# Altium PCB HBS V2.0.PcbDoc (part 2 of 3)
Units mil, origin at the board's own origin, x right, y up, seen from the top; angles counter-clockwise.
Board outline 4570 x 4451.26 mil, 4 copper layers (Top Layer, Internal Plane 1, Internal Plane 2, Bottom Layer), stack 18.2 mil thick; 339 components, 246 nets, 1026 pads, 164 vias.
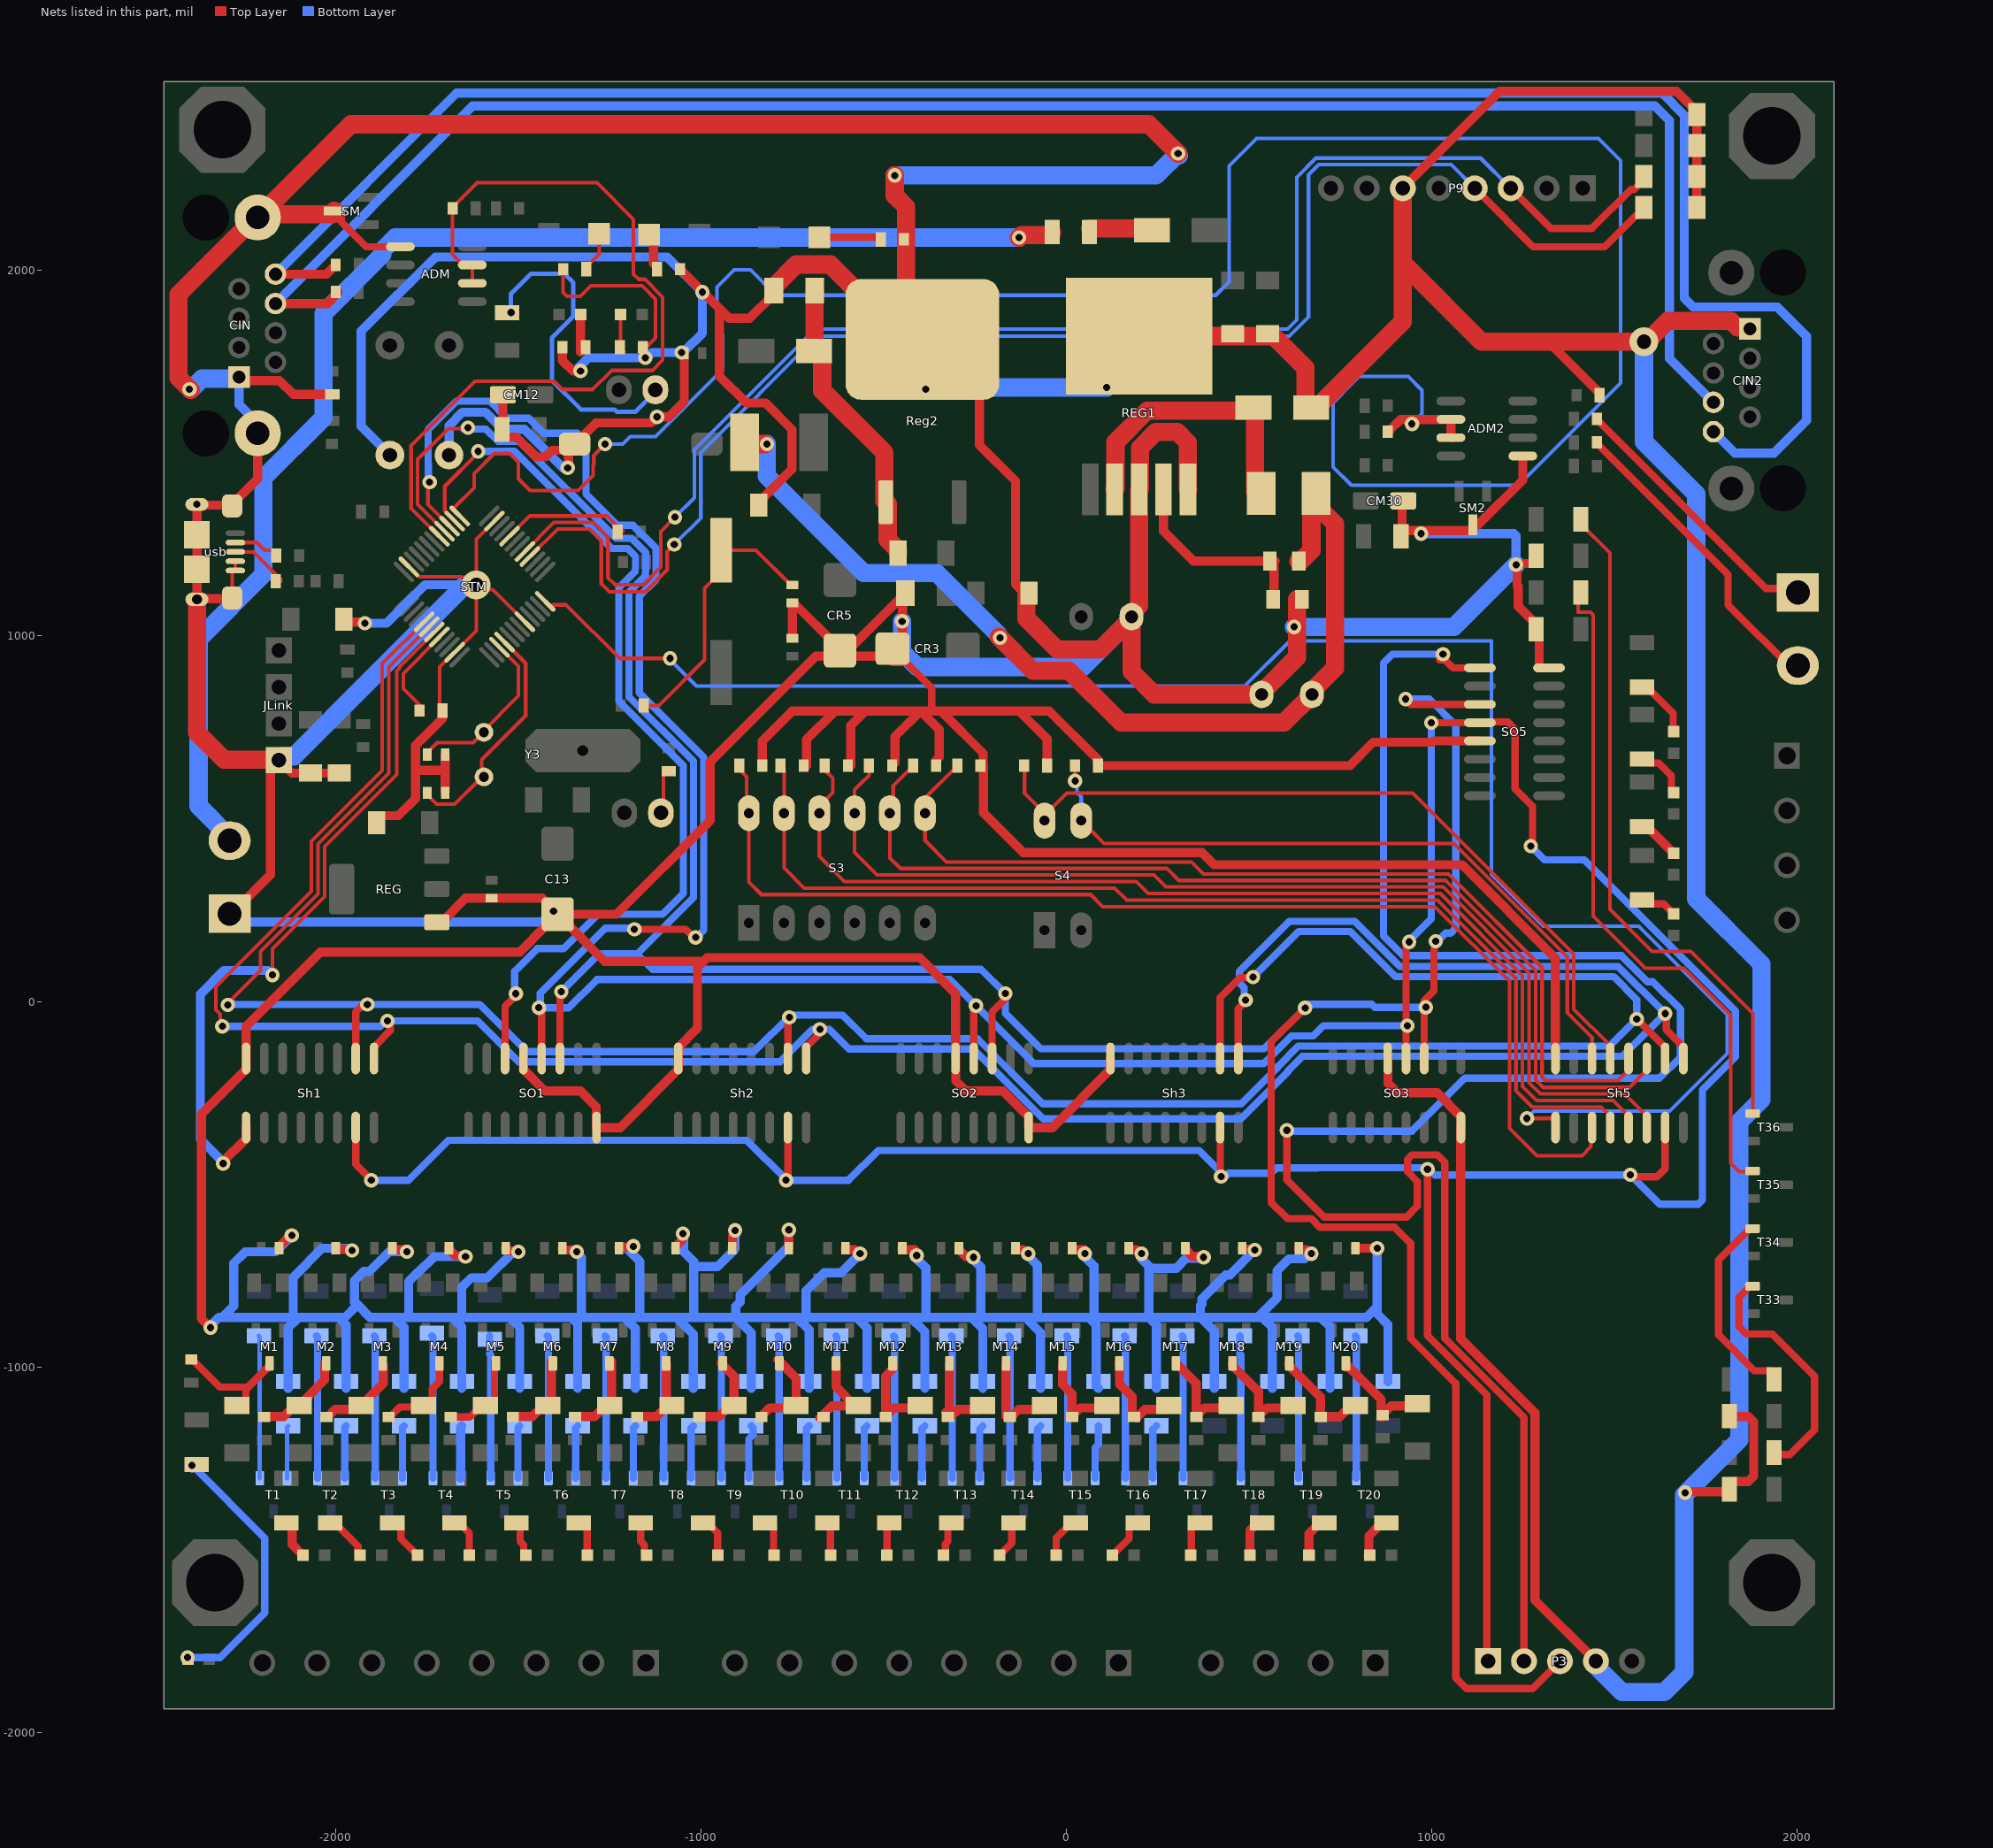
[diagram p4: the nets of this part, all layers, seen from the top]

## Via types
v1: diameter 39.37, hole 19.68, Top Layer to Bottom Layer, 161 vias
v2: diameter 78.74, hole 39.37, Top Layer to Bottom Layer, 3 vias

## Nets (pads, with @x,y where several pads share a name; then routed paths per layer and width w, separated by ;. In a path a pad name is that pad's centre, name@x,y a point inside that pad or via, vN(x,y) a via of type N, cw(c..) or ccw(c..) an arc to the next point about the centre after c; other vN are vias at no path point) (continued)
ChA: CIN2.8 CIN.8 RT4.1 | length 5695
  Top Layer w25: CIN.8@-2164.45,1989.88 -2024.83,1989.88 -2003.94,2010.77 -2000.4,2010.77 -1999.71,2011.46 RT4.1@-1999.71,2015
  Bottom Layer w25: CIN.8@-2160,1985 -2160,1994.33 -1669.33,2485 1630,2485 1690,2425 1690,1925 1715,1900 1945,1900 2025,1820 2025,1590 1935,1500 1828.9,1500 1778.9,1550 1770,1550 CIN2.8@1770,1558.9
ChA_Dis: PO2.2 RT23.1 | length 847.5
  Top Layer w20: RT23.1@1451.61,1529.47 1451.61,1526.51 1810,1168.12 1810,1085 PO2.2@1990,905
ChB: CIN2.6 CIN.6 RT3.1 | length 5075.7
  Top Layer w25: CIN.6@-2164.45,1909.57 -2022.43,1909.57 -1993.99,1938 RT3.1@-1993.99,1941.55
  Bottom Layer w25: CIN.6@-2175,1900 -1625,2450 1610,2450 1650,2410 1650,1759.21 CIN2.6@1770,1639.21
ChB_Dis: PO2.1 RT21.1 | length 732.4
  Top Layer w20: RT21.1@1451.61,1594.11 1451.61,1591.16 1912.77,1130 PO2.1@1990,1130
"Clock Pin2": P3.3 SO1.11 SO2.11 SO3.11 SO5.11 STM.28 | length 9152.1
  Top Layer w10: STM.28@-1702.12,1286.72 -1775.44,1360.04 -1775.44,1483.17 -1690.95,1567.66 v1@-1652.34,1567.66
  Top Layer w20: SO1.11@-1386.23,-156.02 -1386.23,8.77 v1@-1375,20 ; SO2.11@-203.73,-156.02 -203.73,-28.73 v1@-160,15 ; v1(652.68,-17.68) 560,-110.35 560,-550 604.25,-594.25 669.83,-594.25 693.45,-617.87 897.87,-617.87 941.44,-661.44 941.44,-921.44 1065,-1045 1065,-1850 1095,-1880 1275,-1880 1340,-1815 P3.3@1355,-1815 ; v1@930,823.78 941,812.78 SO5.11@1131.02,812.78 ; SO3.11@978.77,-156.02 978.77,2.81 1005.32,29.36 1005.32,141.41 1006.29,142.38 1006.29,161.29 v1(1010,165)
  Bottom Layer w20: v1@-1652.34,1567.66 v1@-1638.1,1567.66 ; v1(-1638.1,1570) -1634.39,1566.29 -1589.15,1566.29 -1555.73,1532.87 -1498.58,1532.87 -1232.8,1267.09 -1189.82,1267.09 -1151.49,1228.76 -1151.49,1174.56 -1152.55,1173.5 -1152.55,1166.48 -1151.49,1165.42 -1197.13,1119.79 -1197.13,833.36 -1020.88,657.11 -1020.88,284.12 -1175,130 ; v1(-1382.67,26.66) -1279.33,130 -1175,130 ; v1(927.68,827.32) 993.17,827.32 1065,755.49 1065,201.09 1050.86,186.95 1037.19,186.95 1015.24,165 v1(1010,165) ; v1(983.02,-15.93) 843.2,-15.93 835,-7.74 662.28,-7.74 540.72,-129.3 -70.95,-129.3 -167.67,-32.58 v1(-167.67,21.66) -233.88,87.87 -1132.87,87.87 -1175,130
ClockEn: P3.1 Sh1.15 Sh2.15 Sh3.15 Sh5.15 SO1.12 SO2.12 SO3.12 SO5.12 STM.27 | length 14476.8
  Top Layer w10: v1(-1742.88,1420.86) -1747.56,1416.18 -1747.56,1360 STM.27@-1688.21,1300.64
  Top Layer w20: Sh1.15@-1945,-345 -1945,-445 v1@-1900,-490 ; SO1.12@-1436.23,-156.02 v1@-1436.23,-23.77 ; v1(-1182.5,197.44) -1042.37,197.44 -1020.24,175.32 v1(-1015,175.32) ; v1@-765,-490 -765,-481.54 -762.5,-479.04 Sh2.15@-762.5,-345 ; SO2.12@-253.73,-156.02 v1@-253.73,-13.73 ; v1@420,-480 420.69,-479.31 420.69,-345.69 Sh3.15@420,-345 ; SO3.12@928.77,-156.02 v1@928.77,162.39 ; v1(987.68,-459.11) 987.68,-914.22 1150,-1076.54 P3.1@1150,-1815 ; v1@1002.18,762.78 SO5.12@1131.02,762.78 1128.81,765 1207.13,765 1227.13,745 1227.13,582.18 1275,534.3 v1@1275,425 ; v1@1550,-480 1615,-480 1637.74,-457.26 Sh5.15@1637.74,-345
  Bottom Layer w20: v1(-1902.32,-489.11) -1800.61,-489.11 -1691.13,-379.63 -875.37,-379.63 v1@-765.89,-489.11 ; v1(-1742.88,1420.86) -1746.2,1424.18 -1746.2,1470.55 -1746.95,1471.31 -1746.95,1565.17 -1669.49,1642.63 -1577.92,1642.63 -1530.81,1595.53 -1471.11,1595.53 -1430.46,1554.88 -1339.02,1554.88 -1314.98,1530.85 -1314.98,1388.7 -1229,1302.72 -1186.02,1302.72 -1123.62,1240.31 -1123.62,1153.88 -1169.25,1108.24 -1169.25,844.9 -993,668.66 -993,195.35 -1014.02,174.34 v1(-1015,175.32) ; v1@-1185.18,200.12 -1262.33,200.12 -1440.19,22.25 -1440.19,-13.4 v1(-1443.9,-17.11) -1362.11,-17.11 -1285,60 -319.35,60 v1(-247.67,-11.68) -89.35,-170 539.43,-170 615.18,-94.25 675,-94.25 702.96,-66.29 v1(932.48,-66.29) ; v1(-767.32,-489.11) v1@-765.89,-489.11 ; v1(422.68,-479.11) 422.68,-467.68 362.6,-407.6 -515.11,-407.6 -596.62,-489.11 v1@-765.89,-489.11 ; v1@434.11,-479.11 443.22,-470 560,-470 574.22,-455.78 686.54,-455.78 687.32,-455 987.68,-455 1007.68,-475 v1@1535,-475 ; v1(937.33,162.8) 937.33,165.6 997.68,225.95 v1(997.68,762.32) ; v1(1270,425) 1307.5,387.5 1416.82,387.5 1830.75,-26.42 1830.75,-151.63 1740,-242.38 1740,-543.28 1728.28,-555 1623.57,-555 v1(1542.68,-474.11)
ClockPin: Sh1.2 Sh2.2 Sh3.2 Sh5.2 STM.42 | length 7394.7
  Top Layer w10: v1@-2297.6,-7.1 -2205.44,85.07 -2205.44,136.78 -2048.08,294.13 -2048.08,430.6 -1854.57,624.11 -1854.57,914.35 -1830,938.92 STM.42@-1743.88,1025.04
  Top Layer w20: -1944.31,-88.51 -1944.31,-155.33 Sh1.2@-1945,-156.02 -1945,-28.9 v1@-1921.1,-5 ; Sh2.2@-762.5,-156.02 v1@-762.5,-38.81 ; Sh3.2@420,-156.02 420,10 475,65 v1@504.23,65 ; v1(1560,-48.34) 1560.78,-48.34 1637.74,-125.3 Sh5.2@1637.74,-156.02
  Bottom Layer w20: v1@-2286.12,0 -2277.79,-8.34 v1(-1913.12,-8.34) -1605.6,-8.34 -1476.81,-137.13 -854.7,-137.13 -754.73,-37.16 -612.84,-37.16 -547.87,-102.13 -243.13,-102.13 -65,-280.26 477.45,-280.26 578.63,-179.08 578.63,-177.41 633.91,-122.13 1486.21,-122.13 v1(1560,-48.34) 1560,5.24 1497.37,67.87 900.3,67.87 777.05,191.13 634.8,191.13 v1(510.34,66.66)
  other v1: -758.41,-43.34 -2294.93,-9.77
CS485_Comm: ADM.2 ADM.3 R'16.1 STM.29 | length 2317.4
  Top Layer w10: STM.29@-1719.76,1275.24 -1793.31,1348.79 -1793.31,1521.69 -1618.5,1696.5 -1402.5,1696.5 -1380.57,1674.57 -1296.61,1674.57 -1244.83,1726.35 -1133.65,1726.35 -1105,1755 -1105,1927.02 -1153.93,1975.95 -1170.95,1975.95 -1185,1990 -1185,2140 -1285,2240 -1612.95,2240 -1680,2172.95 R'16.1@-1680,2170 -1680,2043.79 -1651.21,2015 ADM.3@-1626.04,2015 ADM.2@-1626.04,1965
CS485_Dis: ADM2.2 ADM2.3 R'41.1 STM.25 | length 6557.1
  Top Layer w10: STM.25@-1660.37,1328.48 -1678.51,1346.62 -1678.51,1347.81 -1621.18,1405.14 -1621.18,1443.89 -1565.84,1499.22 -1523.79,1499.22 -1499.79,1475.21 ; -1500,1475 -1500,1430 -1467.87,1397.87 -1336.12,1397.87 -1295.14,1438.86 -1295.14,1468.59 -1293.66,1470.07 -1293.66,1493.66 -1262.58,1524.74 v1(-1262.58,1525)
  Top Layer w25: R'41.1@882.99,1558.66 882.99,1561.61 913.9,1592.52 ADM2.2@1051.57,1592.52 ADM2.3@1051.57,1542.52
  Bottom Layer w10: v1(-1262.58,1525) -1214.3,1525 -1193.29,1546 -1125,1546 -941.12,1729.88 -941.12,1823.98 -956.22,1839.08 -956.22,1955.03 -909.81,2001.44 -865.04,2001.44 -795.9,1932.3 408.01,1932.3 444.7,1969 444.7,2170 ; 444.7,2174.7 444.7,2285.84 519.87,2361 1455.64,2361 1515.75,2300.9 1515.75,1691.86 1236.02,1412.13 779.54,1412.13 729.14,1462.52 729.14,1638.04 780.55,1689.45 ; 780,1690 800,1710 935,1710 972.93,1672.07 972.93,1607.93 v1(945,1580)
D24: R44.2 S3.12 Sh5.11 | length 3263.3
  Top Layer w10: R44.2@-890.26,636.03 -890.26,630 -875.33,615.07 -875.33,520.96 S3.12@-869.37,515 -869.37,326.77 -835,292.4 65.99,292.4 98.87,259.53 1008.01,259.53 1211.79,55.74 1211.79,-346.87 1286.77,-421.85 1410.45,-421.85 1435.14,-397.16 1435.14,-347.61 Sh5.11@1437.74,-345 Sh5.11@1437.74,-313.5
D25: R45.2 S3.11 Sh5.12 | length 3037
  Top Layer w10: R45.2@-782.45,645 -772.91,635.46 S3.11@-772.91,515 -772.91,365.12 -718.07,310.28 131.93,310.28 164.81,277.4 1015.41,277.4 1229.67,63.15 1229.67,-244 1274.49,-288.82 1463.06,-288.82 1487.74,-313.5 Sh5.12@1487.74,-345
D26: R46.2 S3.10 Sh5.13 | length 2973.9
  Top Layer w10: R46.2@-658.45,630 -639.27,610.82 -639.27,571.87 -676.46,534.68 S3.10@-676.46,515 -676.46,397.05 -607.56,328.15 190.89,328.15 223.77,295.28 1022.81,295.28 1247.54,70.55 1247.54,-232.54 1285.94,-270.95 1495.18,-270.95 1537.74,-313.5 Sh5.13@1537.74,-345
D27: R47.2 S3.9 Sh5.14 | length 2927.9
  Top Layer w10: R47.2@-540.43,645 -540.43,617.91 -552.11,606.24 -552.97,606.24 -580,579.21 S3.9@-580,515 -580,407.76 -518.27,346.03 239.24,346.03 272.11,313.15 1030.22,313.15 1265.42,77.95 1265.42,-222.13 1296.36,-253.07 1527.31,-253.07 1587.74,-313.5 Sh5.14@1587.74,-345
D28: R48.2 S3.8 Sh5.3 | length 2824
  Top Layer w10: R48.2@-428.89,635.54 -474.16,590.27 -474.16,524.39 S3.8@-483.54,515 -483.54,392.46 -454.98,363.9 274.58,363.9 307.46,331.03 1037.62,331.03 1283.29,85.36 1283.29,-214.72 1303.76,-235.2 1540.07,-235.2 1587.74,-187.52 Sh5.3@1587.74,-156.02
D29: R49.2 S3.7 Sh5.4 | length 2643.9
  Top Layer w10: R49.2@-307.88,635.54 -387.09,556.33 S3.7@-387.09,515 -387.09,440.29 -328.57,381.77 341.49,381.77 374.36,348.9 1045.02,348.9 1301.16,92.76 1301.16,-207.32 1310,-216.16 1509.11,-216.16 1537.74,-187.52 Sh5.4@1537.74,-156.02
D30: R50.1 S4.4 Sh5.5 | length 2142.3
  Top Layer w10: R50.1@-115,632.13 -115,569.68 -60,514.68 S4.4@-60,509.36 ; S4.4@-60,495 S4.4@-60,509.36 ; Sh5.5@1487.74,-156.02 1487.74,-121.08 1387.87,-21.21 1387.87,129.62 947.49,570 0.64,570 S4.4@-60,509.36
D31: R51.1 S4.3 Sh5.6 | length 1946.5
  Top Layer w10: R51.1@22.84,645 23.09,644.75 v1@23.09,608.09 ; S4.3@40,495 40,488.59 62.66,465.93 69.07,465.93 102.48,432.52 1059.69,432.52 1370,122.22 1370,-30 1437.74,-97.74 Sh5.6@1437.74,-156.02
  Bottom Layer w10: v1@30,605 28.96,603.96 28.96,571.04 40,560 S4.3@40,495
  other v1: 23.34,603.56
"Data Pin2": SO1.14 STM.26 | length 2603.4
  Top Layer w10: STM.26@-1674.29,1314.56 -1674.29,1315.05 -1701.42,1342.18 -1701.42,1409.43 -1610,1500.84 v1(-1610,1505)
  Top Layer w20: SO1.14@-1536.23,-156.02 -1536.23,-13.26 -1506.9,16.07 v1(-1506.9,21.31)
  Bottom Layer w20: v1(-1610,1505) -1510.12,1505 -1244.35,1239.22 -1201.37,1239.22 -1179.36,1217.22 -1179.36,1186.1 -1180.42,1185.05 -1180.42,1175.91 -1225,1131.33 -1225,821.81 -1048.75,645.56 -1048.75,295.67 -1105.88,238.54 -1282.52,238.54 -1376.44,144.63 -1448.36,144.63 -1510.04,82.95 v1@-1510.04,21.31
DataPin: Sh5.9 STM.12 | length 5004.3
  Top Layer w10: STM.12@-1426.52,1094.63 -1411.53,1079.65 -1410.35,1079.65 -1405,1085 -1369.07,1085 -1222.85,938.78 v1(-1085,938.78) ; v1(1259.64,-320.01) 1331.45,-320.01 1337.74,-326.31 Sh5.9@1337.74,-345
  Bottom Layer w10: v1@-1085,935 -1012.78,862.78 487.2,862.78 611.3,986.89 1162.78,986.89 1162.78,881.49 1162.87,881.4 1162.87,347.13 1304.01,205.99 1565.99,205.99 1807.87,-35.9 1807.87,-142.15 1650.03,-300 1278.87,-300 v1@1263.87,-315
DataPin2: Sh1.9 STM.43 | length 1955.9
  Top Layer w10: v1(-2172.88,72.32) -2172.88,144.06 -2030.21,286.73 -2030.21,423.19 -1832.87,620.53 -1832.87,904.36 -1825.54,911.7 -1825.54,915.54 STM.43@-1729.96,1011.12
  Top Layer w25: v1@-2310,-440.12 -2245,-375.12 Sh1.9@-2245,-345
  Bottom Layer w25: v1@-2307.32,-440.12 -2370,-377.44 -2370,20 -2305,85 -2185.55,85 v1@-2175.55,75
  other v1: -2307.67,-443.46
GND: ADM2.5 ADM.5 C2.1 C6.2 C7.2 C10.2 C13.2 C15.1 C16.1 CIN2.1 CIN.1 CIN.9 CM12.2 CM13.2 CM20.2 CM21.2 CM25.2 CM30.2 CR1.2 CR2.2 CR3.2 CR5.2 CY1.1 CY2.1 CY3.1 CY4.1 CY5.1 CY6.1 CY7.1 CY8.1 CY9.1 CY10.1 CY11.1 CY12.1 CY13.1 CY14.1 CY15.1 CY16.1 CY17.1 CY18.1 CY19.1 CY20.1 DM3.1 DZ1.1 DZ2.1 DZ10.1 DZ11.1 DZ12.1 DZ13.1 DZ14.1 DZ15.1 DZ16.1 DZ20.1 DZ21.1 DZ22.1 JLink.1 P3.4 P9.6 PO.1 R2.2 R44.1 R45.1 R46.1 R47.1 R48.1 R49.1 R50.2 R51.2 R60.1 R61.1 R80.1 R82.1 R83.1 REG1.3 REG1.5 REG1.6 Reg2.4 REG.1 RES.1 RN2.2 RT1.2 RT20.2 RV1.1 RV2.1 RX1.2 RX2.2 RX3.2 RX4.2 RX5.2 RX6.2 RX7.2 RX8.2 RX9.2 RX10.2 RX11.2 RX12.2 RX13.2 RX14.2 RX15.2 RX16.2 RX17.2 RX18.2 RX19.2 RX20.2 RX33.2 RX34.2 RX35.2 RX36.2 Sh1.8 Sh2.8 Sh3.8 Sh5.8 SM2.3 SM.3 SO1.8 SO1.13 SO2.8 SO2.13 SO3.8 SO3.13 SO5.8 SO5.13 STM.8 STM.23 STM.35 STM.47 usb.4 usb.5 usb.S | length 58744.3
  Top Layer w10: usb.S@-2283.04,1104.09 -2283.04,1176.24 -2280.38,1178.9 usb.5@-2274.18,1178.9 usb.4@-2274.18,1204.49 ; STM.35@-1799.56,1189.29 -1799.07,1189.29 -1771.94,1162.15 -1655.76,1162.15 -1633.6,1140 v2(-1615,1140) ; R2.2@-1715,795.75 -1715,914.73 STM.47@-1674.29,955.44 -1615,1014.73 v2(-1615,1140) ; STM.23@-1565.71,1314.56 -1565.71,1314.07 -1615,1264.79 v2(-1615,1140) ; STM.8@-1482.2,1038.96 -1570.09,1126.85 -1601.85,1126.85 v2(-1615,1140) ; R82.1@-1377.45,2015 -1377.45,1940.32 -1366.59,1929.46 -1330.1,1929.46 -1301.49,1958.07 -1161.33,1958.07 -1124.61,1921.35 -1124.61,1815.16 -1157.99,1781.77 R60.1@-1162.07,1777.7
  Top Layer w20: SM.3@-2003.46,2162.72 -1986.73,2162.72 -1984.92,2160.9 -1984.92,2133.66 -1916.26,2065 ADM.5@-1822.89,2065 ; CR3.2@-475.07,965 -440.86,930.79 -440.86,929.4 -369.19,857.73 -369.19,795
  Top Layer w25: v1(-2342.32,-892.53) -2367.13,-867.72 -2367.13,-308.27 -2245,-186.14 Sh1.8@-2245,-156.02 -2245,-68.08 -2041.92,135 -1495.97,135 -1426.19,204.78 -1424.22,204.78 -1392.43,236.58 -1360.64,204.78 -1358.67,204.78 -1263.88,110 -993.73,110 ; PO.1@-2290,240 -2285,240 -2177.87,347.13 -2177.87,637.3 JLink.1@-2155,660.17 ; usb.S@-2283.04,1104.09 -2285.01,1102.13 -2377.53,1102.13 usb.S@-2379.5,1100.16 usb.S@-2379.5,1182.83 usb.S@-2379.5,1277.32 usb.S@-2379.5,1360 -2377.53,1358.03 -2285.01,1358.03 usb.S@-2283.04,1356.06 -2283.04,1360 -2213.27,1429.77 CIN.9@-2213.27,1554.45 ; CIN.1@-2264.45,1708.78 CIN.1@-2248.05,1725.18 ; CIN.1@-2255,1710 -2255,1706.62 -2247.42,1699.04 -2153.71,1699.04 -2115.58,1660.91 RT1.2@-2008.68,1660.91 ; JLink.1@-2156.31,661.48 -2153.69,661.48 -2144.57,670.61 -2144.57,649.74 -2119.52,624.7 DZ11.1@-2069.01,624.7 DZ12.1@-1989.51,624.7 ; CY1.1@-2154.71,-674.92 -2154.71,-671.38 -2123.33,-640 v1(-2120,-640) ; CY2.1@-1999.71,-674.92 -1999.71,-677.62 -1999.02,-678.31 -1957.54,-678.31 v1(-1954.79,-681.05) ; DZ10.1@-1965,1040 -1962.75,1037.75 -1922.75,1037.75 v1(-1920,1035) ; DZ2.1@-1887.84,489.51 -1887.84,497.38 -1876.71,508.5 -1827.94,508.5 -1781.44,555 -1781.44,585 ; CY3.1@-1844.71,-674.92 -1844.71,-678.46 -1844.02,-679.15 v1@-1815.89,-679.15 ; -1781.68,585 -1781.68,632.2 ; REG.1@-1723.04,216.65 -1710.25,216.65 -1644.19,282.71 -1434.63,282.71 C13.2@-1401.08,249.16 ; R2.2@-1707.46,795.75 -1707.46,777.03 -1708.91,775.59 -1708.91,772.7 -1764.66,716.94 -1765.36,716.94 -1781.68,700.62 -1781.68,632.2 ; C15.1@-1700.5,675.45 -1700.39,675.33 -1700.39,630.39 ; C16.1@-1700.39,575.02 -1700.39,630.39 ; CY4.1@-1689.71,-674.92 -1689.71,-678.46 -1672.59,-695.59 -1647.19,-695.59 v1(-1644.44,-698.34) ; CM13.2@-1542.17,1588.87 -1542.17,1601.66 ; CM12.2@-1542.17,1660 -1542.17,1567.83 CM13.2@-1545,1565 -1545,1552.2 -1536.83,1544.04 -1504.78,1544.04 -1450.74,1490 -1425.74,1490 -1407.73,1508.01 RES.1@-1362.25,1508.01 ; CY5.1@-1534.71,-674.92 -1534.71,-678.46 -1534.02,-679.15 -1530.48,-679.15 -1527.38,-682.25 -1502.92,-682.25 v1(-1500.17,-685) ; SO1.13@-1486.23,-156.02 -1486.23,-186.14 -1427.37,-245 -1330,-245 -1286.92,-288.08 -1286.92,-344.31 SO1.8@-1286.23,-345 -1221.36,-345 -1062.5,-186.14 Sh2.8@-1062.5,-156.02 -1062.5,-125.91 -1010,-73.41 -1010,93.73 -993.73,110 ; C13.2@-1390.46,238.54 -1231.95,238.54 -975.49,495.01 -975.49,655.49 -685.97,945 -491.2,945 -475.6,929.4 CR3.2@-440.86,929.4 ; CY6.1@-1379.71,-674.92 -1379.71,-678.46 -1379.02,-679.15 -1375.48,-679.15 -1374.63,-680 v1@-1345,-680 ; R61.1@-1379.07,1790 -1379.53,1789.54 -1379.53,1753.61 -1350.92,1725 v1(-1330,1725) ; v1(-1365,1460) -1362.25,1462.75 RES.1@-1362.25,1508.01 ; CY7.1@-1224.71,-674.92 -1224.71,-673.15 -1224.02,-672.46 v1@-1191.64,-672.46 ; R60.1@-1159.27,1790 -1157.99,1788.72 -1157.99,1781.77 -1157.99,1770.45 -1155,1767.45 v1@-1155,1765 ; CY8.1@-1069.71,-674.92 -1069.71,-671.38 v1@-1052.75,-654.42 ; R83.1@-1057.45,2003.45 -995.55,1941.55 -954.01,1900 ; C10.2@-1046.01,1773.6 -1046.01,1641.68 -1088.19,1599.5 v1(-1120.5,1599.5) -1137.01,1582.99 -1287.91,1582.99 RES.1@-1345.91,1525 -1362.25,1508.66 RES.1@-1362.25,1508.01 ; CY9.1@-914.71,-674.92 -914.02,-674.23 v1@-914.02,-642.91 ; DZ20.1@-842.44,1358.03 -842.44,1365.91 -751.53,1456.82 -751.53,1564.95 -824.27,1637.69 -876.58,1637.69 -950,1711.1 -950,1895.99 -923.17,1869.17 -867.09,1869.17 -801.1,1935.16 CR1.2@-801.1,1945 ; R44.1@-832.3,645 -832.3,712.7 -750,795 -632.92,795 ; v1@-759.86,-630.14 -759.86,-674.78 CY10.1@-759.71,-674.92 ; C6.2@-750,993.85 C7.2@-750,1090.5 -746.46,1090.5 -627.3,971.34 -586.81,971.34 CR2.2@-449.19,1108.96 ; R45.1@-711.29,645 -711.14,645.16 -711.14,716.78 -632.92,795 ; CY11.1@-604.71,-674.92 -604.71,-678.46 -604.02,-679.15 v1@-579.73,-679.15 ; R46.1@-590.28,645 -590.28,754.72 -550,795 ; Reg2.4@-511.01,1869.17 Reg2.4@-446.84,1805 ; R47.1@-477.44,645 -469.27,653.17 -469.27,725 -399.27,795 ; CR3.2@-476.46,965 -449.19,992.26 CR2.2@-449.19,1108.96 ; CY12.1@-449.71,-674.92 -449.71,-678.46 -449.02,-679.15 v1@-415.85,-679.15 ; CR2.2@-449.19,1139.41 CR2.2@-449.19,1108.96 ; CR2.2@-441.1,1117.05 CR2.2@-449.19,1108.96 ; Reg2.4@-394.47,1811.37 -388.53,1811.37 -238.22,1661.05 -238.22,1522.45 -139.63,1423.86 -139.63,1141.2 DZ1.1@-107.16,1108.74 ; -369.19,795 -399.27,795 ; -359.19,795 -130,795 ; R48.1@-356.44,660 -348.27,668.17 -348.27,743.99 -399.27,795 ; -340,791.11 -227.95,679.06 -227.95,645.69 -227.26,645 -227.26,515.85 -118.56,407.15 370.71,407.15 403.58,374.27 1082.06,374.27 1337.74,118.59 Sh5.8@1337.74,-156.02 ; CY13.1@-294.71,-674.92 -294.71,-678.46 -275.92,-697.25 -257.25,-697.25 v1@-255,-695 ; CY14.1@-139.71,-674.92 -139.71,-678.46 -139.02,-679.15 v1@-119.73,-679.15 ; R50.2@-53.14,645 -53.14,718.14 -130,795 ; CY15.1@15.29,-674.92 15.29,-678.46 15.98,-679.15 v1@49.15,-679.15 ; R51.2@85,650 85,662.34 -47.66,795 -130,795 ; R51.2@85.83,645 775,645 839.33,709.33 1001.23,709.33 1004.68,712.78 SO5.13@1131.02,712.78 ; Sh3.8@120,-156.02 120,-186.14 -38.86,-345 SO2.8@-103.73,-345 -103.73,-314.88 -173.61,-245 -275.44,-245 -303.04,-217.4 -303.04,-156.71 SO2.13@-303.73,-156.02 -303.73,21.73 -402,120 -983.73,120 -993.73,110 ; CY16.1@170.29,-674.92 170.29,-678.46 170.98,-679.15 v1@190.27,-679.15 ; CY17.1@325.29,-674.92 325.29,-678.46 344.08,-697.25 372.25,-697.25 v1(375,-700) ; CY18.1@480.29,-674.92 480.29,-676.77 480.98,-677.46 v1@512.54,-677.46 ; CY19.1@635.29,-674.92 635.29,-678.46 635.98,-679.15 v1@655.27,-679.15 ; CY20.1@790.29,-674.92 CY20.1@790.29,-674.92 v1@844.96,-674.96 ; SO3.13@878.77,-156.02 879.46,-156.71 879.46,-224.09 905.37,-250 1013.89,-250 1080,-316.11 1080,-346.23 SO3.8@1078.77,-345 1078.77,-922.94 1281.95,-1126.12 1281.95,-1638.52 1443.43,-1800 P3.4@1455,-1800 ; CM25.2@918.09,1283.19 918.09,1366.91 CM30.2@921.18,1370 ; P9.6@920,2225 1185,2490 1668.8,2490 1715,2443.8 DZ21.1@1715,2435 ; CM25.2@923.17,1288.27 1110.92,1288.27 1111.61,1288.96 SM2.3@1111.61,1303.74 1125.66,1303.74 1248.43,1426.51 ADM2.5@1248.43,1492.52 ; v1(1230,1195) 1232.56,1192.44 1232.56,1137.81 1235.37,1135 1235.37,1081.09 1285.17,1031.3 RX35.2@1285.17,1018.5 1293.34,1010.33 1293.34,913.47 1294.03,912.78 SO5.8@1320,912.78 ; v1@1240,1195 1243.15,1198.15 1277,1198.15 1285.17,1206.31 RX36.2@1285.17,1219.11 ; 1318.21,1805 1458.55,1664.66 RT20.2@1458.55,1658.76 ; v1@1696.36,-1341.36 1807.39,-1341.36 RX33.2@1814.06,-1334.69 1814.06,-1321.9 1822.22,-1313.73 1865.36,-1313.73 1880,-1299.08 1880,-1150 1865.36,-1135.36 1822.22,-1135.36 1820,-1133.13 RX34.2@1820,-1130 ; DZ21.1@1724.88,2426.04 DZ22.1@1724.88,2341.36 DZ13.1@1724.88,2256.67 DZ14.1@1724.88,2171.99 1724.88,2165.12 DZ14.1@1725,2165 ; -1781.68,632.2 -1702.2,632.2 -1700.39,630.39 ; -632.92,795 -550,795 ; -550,795 -399.27,795